# Altium PCB TEBF0808.PcbDoc (part 5 of 11) (continued)
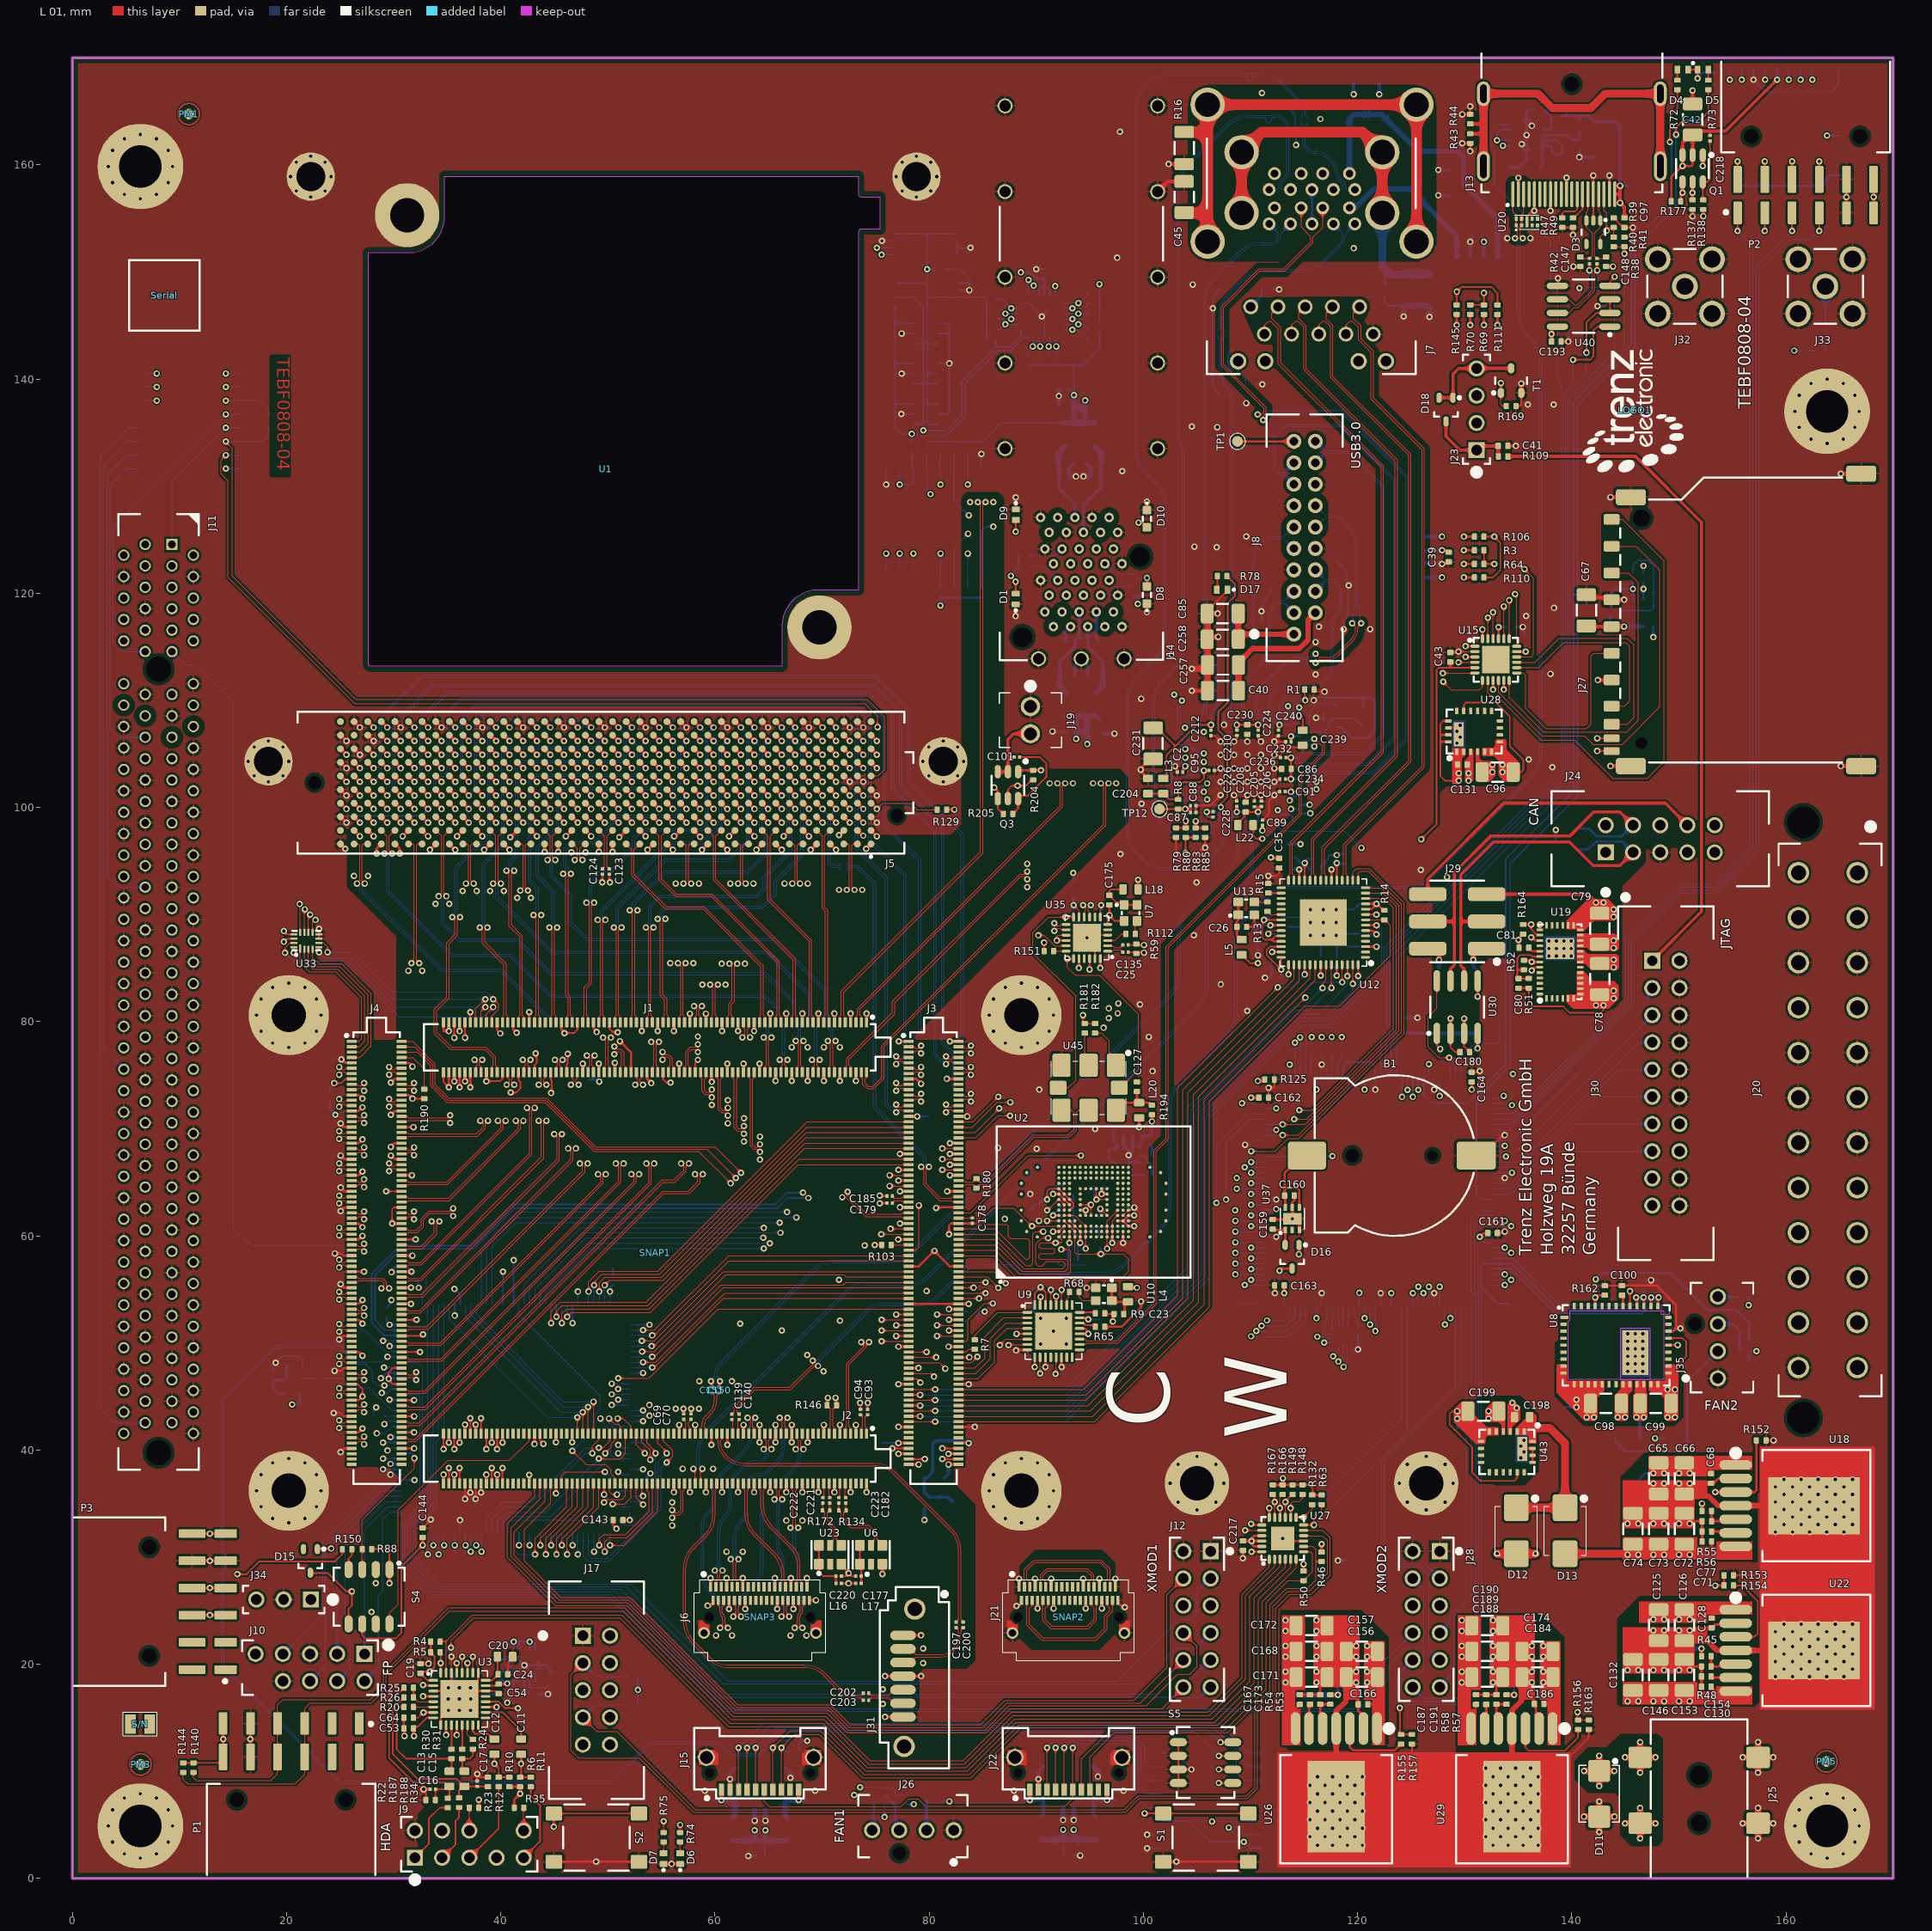
[diagram p0: L 01 view]
## Nets (pads, with @x,y where several pads share a name; then routed paths per layer and width w, separated by ;. In a path a pad name is that pad's centre, name@x,y a point inside that pad or via, vN(x,y) a via of type N, cw(c..) or ccw(c..) an arc to the next point about the centre after c; other vN are vias at no path point) (continued)
B128_TX1_N: J2.37 J6.A3 | length 17
  L 01 w0.1: v1@60.551,28.606 ccw(c60.807,28.35) 60.445,28.35 60.445,27.84 60.585,27.7 J6.A3@60.585,27.225 ; v1@60.551,28.606 v1(60.695,28.75) ; J2.37@65.155,41.538 65.155,41.023 65.015,40.883 65.015,40.32 v1(65.265,40.07)
  L 16 w0.1: v1(60.695,28.75) 60.675,28.77 cw(c61.23,29.325) 60.445,29.325 60.445,32.366 cw(c62.359,32.366) 61.006,33.719 ccw(c59.752,34.973) 61.525,34.973 61.525,36.365 cw(c63.419,36.365) 62.08,37.705 62.65,38.275 cw(c63.869,37.056) 63.869,38.78 63.9,38.78 ccw(c63.9,39.905) 64.696,39.11 64.831,39.244 ccw(c64.384,39.691) 65.015,39.691 65.015,39.725 cw(c65.245,39.725) 65.083,39.887 v1(65.265,40.07)
B128_TX1_P: J2.39 J6.A2 | length 17
  L 01 w0.1: v1(59.975,28.75) v1@60.119,28.606 ; J6.A2@60.085,27.225 60.085,27.7 60.225,27.84 60.225,28.35 ccw(c59.863,28.35) v1@60.119,28.606 ; v1(64.545,40.07) 64.795,40.32 64.795,40.883 64.655,41.023 J2.39@64.655,41.538
  L 16 w0.1: v1(59.975,28.75) 59.995,28.77 ccw(c59.44,29.325) 60.225,29.325 60.225,32.366 cw(c62.359,32.366) 60.85,33.875 ccw(c59.752,34.973) 61.305,34.973 61.305,36.365 cw(c63.419,36.365) 61.924,37.86 62.495,38.431 cw(c63.869,37.056) 63.869,39 63.9,39 ccw(c63.9,39.905) 64.54,39.265 64.675,39.4 ccw(c64.384,39.691) 64.795,39.691 64.795,39.725 ccw(c64.566,39.725) 64.728,39.887 v1(64.545,40.07)
B128_TX2_N: J2.31 J6.A6 | length 19.8
  L 01 w0.1: v1@62.033,29.638 ccw(c62.247,29.425) 61.945,29.425 61.945,27.84 62.085,27.7 J6.A6@62.085,27.225 ; v1@62.033,29.638 v1(62.195,29.8) ; J2.31@66.655,41.538 66.655,42.053 66.515,42.193 66.515,42.756 v1(66.765,43.006)
  L 16 w0.1: v1(62.195,29.8) 62.104,29.891 cw(c62.488,30.275) 61.945,30.275 61.945,31.876 cw(c63.774,31.876) 62.481,33.169 ccw(c61.189,34.461) 63.015,34.461 63.015,36.355 cw(c64.248,36.355) 63.376,37.226 63.432,37.282 cw(c64.2,36.514) 64.2,37.6 ccw(c64.2,38.774) 65.03,37.944 65.881,38.794 ccw(c64.348,40.327) 66.515,40.327 66.515,42.575 cw(c66.952,42.575) 66.643,42.883 v1(66.765,43.006)
B128_TX2_P: J2.33 J6.A5 | length 19.8
  L 01 w0.1: v1(61.475,29.8) 61.637,29.638 cw(c61.423,29.425) 61.725,29.425 61.725,27.84 61.585,27.7 J6.A5@61.585,27.225 ; v1(66.045,43.006) 66.295,42.756 66.295,42.193 66.155,42.053 J2.33@66.155,41.538
  L 16 w0.1: v1(61.475,29.8) 61.566,29.891 ccw(c61.182,30.275) 61.725,30.275 61.725,31.876 cw(c63.774,31.876) 62.325,33.325 ccw(c61.189,34.461) 62.795,34.461 62.795,36.355 cw(c64.248,36.355) 63.221,37.382 63.276,37.437 cw(c64.2,36.514) 64.2,37.82 ccw(c64.2,38.774) 64.874,38.099 65.725,38.95 ccw(c64.348,40.327) 66.295,40.327 66.295,42.575 ccw(c65.859,42.575) 66.168,42.883 v1(66.045,43.006)
B128_TX3_N: J2.25 J6.B6 | length 21.8
  L 01 w0.1: J6.B6@62.315,25.975 62.315,25.5 62.175,25.36 62.175,24.925 ccw(c62.718,24.925) 62.334,24.541 v1(62.425,24.45) ; J2.25@68.155,41.538 68.155,41.023 68.015,40.883 68.015,40.32 v1(68.265,40.07)
  L 16 w0.1: v1(62.425,24.45) 62.246,24.629 cw(c62.416,24.8) 62.175,24.8 62.175,25.386 cw(c63.114,25.386) 62.45,26.05 63.707,27.307 ccw(c61.755,29.259) 64.515,29.259 64.515,36.1 cw(c65.277,36.1) 64.738,36.638 64.9,36.8 cw(c65.335,36.365) 65.335,36.98 65.725,36.98 ccw(c65.725,38.286) 66.649,37.363 67.347,38.06 ccw(c65.732,39.675) 68.015,39.675 cw(c68.365,39.675) 68.118,39.923 v1(68.265,40.07)
B128_TX3_P: J2.27 J6.B5 | length 21.8
  L 01 w0.1: v1(61.705,24.45) 61.796,24.541 ccw(c61.412,24.925) 61.955,24.925 61.955,25.36 61.815,25.5 J6.B5@61.815,25.975 ; v1(67.545,40.07) 67.795,40.32 67.795,40.883 67.655,41.023 J2.27@67.655,41.538
  L 16 w0.1: v1(61.705,24.45) 61.884,24.629 ccw(c61.714,24.8) 61.955,24.8 61.955,25.386 cw(c63.114,25.386) 62.294,26.206 63.551,27.463 ccw(c61.755,29.259) 64.295,29.259 64.295,36.1 cw(c65.277,36.1) 64.583,36.794 64.744,36.956 cw(c65.335,36.365) 65.335,37.2 65.725,37.2 ccw(c65.725,38.286) 66.493,37.518 67.191,38.216 ccw(c65.732,39.675) 67.795,39.675 ccw(c67.445,39.675) 67.693,39.923 v1(67.545,40.07)
B228_CLK0_N: C121.1 J3.60 | length 37.4
  L 01 w0.1: v1(79.975,66.45) 79.725,66.2 79.725,64.85 81.062,63.513 82.085,63.513 82.225,63.653 J3.60@82.74,63.653
  L 16 w0.1: C121.1@72.302,94.826 72.517,94.611 73.339,94.611 75.01,92.94 75.01,72.026 79.725,67.311 79.725,66.7 v1(79.975,66.45)
B228_CLK0_P: C122.1 J3.62 | length 37.4
  L 01 w0.1: v1(79.255,66.45) 79.505,66.2 79.505,64.759 80.971,63.293 82.085,63.293 82.225,63.153 J3.62@82.74,63.153
  L 16 w0.1: C122.1@72.302,94.176 72.517,94.391 72.65,94.391 72.651,94.39 73.249,94.39 74.79,92.849 74.79,71.935 79.505,67.22 79.505,66.7 v1(79.255,66.45)
B228_RX0_N: J1.71 J5.C7 | length 27.7
  L 01 w0.1: v1(56.545,85.45) 56.795,85.2 56.795,80.593 56.655,80.453 J1.71@56.655,79.938
  L 01 w0.2: J5.C7@66.946,99.125 v1(67.495,98.576)
  L 14 S w0.08: v1(56.545,85.45) 56.805,85.71 56.805,86.105 60,89.3 60,92.7 61.3,94 66.6,94 68.022,95.422 68.022,98.049 v1(67.495,98.576) v1@67.487,98.584
B228_RX0_P: J1.69 J5.C6 | length 27.7
  L 01 w0.1: J1.69@57.155,79.938 57.155,80.453 57.015,80.593 57.015,85.2 v1(57.265,85.45)
  L 01 w0.2: J5.C6@68.216,99.125 v1(68.765,98.576)
  L 14 S w0.08: v1(57.265,85.45) 57.005,85.71 57.005,86.023 60.2,89.217 60.2,92.617 61.383,93.8 66.683,93.8 68.222,95.339 68.222,98.049 v1@68.757,98.584
B228_RX1_N: J1.65 J5.A3 | length 26.3
  L 01 w0.1: v1(58.045,81.45) 58.295,81.2 58.295,80.593 58.155,80.453 J1.65@58.155,79.938 ; J5.A3@72.026,96.585 72.416,96.585 72.551,96.45 72.551,92.55 v1(72.301,92.3)
  L 14 S w0.08: v1(58.045,81.45) 58.305,81.71 58.305,81.988 58.717,82.4 63.5,82.4 72.561,91.461 72.561,92.04 v1(72.301,92.3)
B228_RX1_P: J1.63 J5.A2 | length 26.7
  L 01 w0.1: J1.63@58.655,79.938 58.655,80.453 58.515,80.593 58.515,81.2 v1(58.765,81.45) ; 72.935,96.585 J5.A2@73.296,96.585 72.885,96.585 72.771,96.471 72.771,92.55 v1(73.021,92.3)
  L 14 S w0.08: v1(58.765,81.45) 58.505,81.71 58.505,81.905 58.8,82.2 63.583,82.2 72.761,91.378 72.761,92.04 v1(73.021,92.3)
B228_RX2_N: J1.59 J5.A7 | length 22.5
  L 01 w0.1: v1(59.545,83.45) 59.795,83.2 59.795,80.593 59.655,80.453 J1.59@59.655,79.938 ; J5.A7@66.946,96.585 67.336,96.585 67.471,96.45 67.471,93.15 v1(67.221,92.9)
  L 14 S w0.08: v1(59.545,83.45) 59.805,83.71 59.805,84.088 60.217,84.5 63.167,84.5 67.481,88.814 67.481,92.64 v1(67.221,92.9)
B228_RX2_P: J1.57 J5.A6 | length 22.5
  L 01 w0.1: J1.57@60.155,79.938 60.155,80.453 60.015,80.593 60.015,83.2 v1(60.265,83.45) ; v1(67.941,92.9) 67.691,93.15 67.691,96.45 67.826,96.585 J5.A6@68.216,96.585
  L 14 S w0.08: v1(60.265,83.45) 60.005,83.71 60.005,84.005 60.3,84.3 63.25,84.3 67.681,88.731 67.681,92.64 v1(67.941,92.9)
B228_RX3_N: J1.53 J5.A11 | length 18
  L 01 w0.1: J1.53@61.155,79.938 61.155,80.453 61.295,80.593 61.295,81.695 61.595,81.995 61.595,85.153 v1(61.345,85.403) ; J5.A11@61.866,96.585 62.256,96.585 62.391,96.45 62.391,93.15 v1(62.141,92.9)
  L 14 S w0.08: v1(61.345,85.403) 61.605,85.663 61.605,87.155 62.4,87.95 62.4,92.64 ; v1(62.141,92.9) 62.401,92.64
B228_RX3_P: J1.51 J5.A10 | length 18
  L 01 w0.1: J1.51@61.655,79.938 61.655,80.453 61.515,80.593 61.515,81.604 61.815,81.904 61.815,85.153 v1(62.065,85.403) ; v1(62.861,92.9) 62.611,93.15 62.611,96.45 62.746,96.585 J5.A10@63.136,96.585
  L 14 S w0.08: v1(62.065,85.403) 61.805,85.663 61.805,87.073 62.6,87.867 62.6,92.64 ; 62.601,92.64 v1(62.861,92.9)
B228_TX0_N: J1.70 J5.C3 | length 36.8
  L 01 w0.1: J1.70@57.155,75.268 57.155,75.783 57.295,75.923 57.295,77.206 57.709,77.62 58.15,77.62 v1(58.4,77.87)
  L 01 w0.2: J5.C3@72.026,99.125 v1(72.575,98.576)
  L 14 S w0.08: v1(58.4,77.87) 58.66,77.61 65.71,77.61 68.75,80.65 68.75,83.293 74.3,88.843 74.3,93.9 73.11,95.09 73.11,98.041 v1(72.575,98.576)
B228_TX0_P: J1.68 J5.C2 | length 36.8
  L 01 w0.1: J1.68@57.655,75.268 57.655,75.783 57.515,75.923 57.515,77.115 57.8,77.4 58.15,77.4 v1(58.4,77.15)
  L 01 w0.2: J5.C2@73.296,99.125 v1(73.845,98.576)
  L 14 S w0.08: v1(58.4,77.15) 58.66,77.41 65.793,77.41 68.95,80.567 68.95,83.21 74.5,88.76 74.5,93.983 73.31,95.172 73.31,98.041 v1(73.845,98.576)
B228_TX1_N: J1.64 J5.A23 | length 36.7
  L 01 w0.1: J5.A23@46.626,96.585 46.676,96.535 46.816,96.535 47.151,96.2 47.151,95.35 v1(46.901,95.1) ; J1.64@58.655,75.268 58.655,74.753 58.795,74.613 58.795,73.494 59.109,73.18 59.45,73.18 v1(59.7,72.93)
  L 14 S w0.08: v1(46.901,95.1) 47.161,94.84 47.161,90.264 47.9,89.525 47.9,78.75 49.825,76.825 49.825,75.495 52.13,73.19 52.31,73.19 ; 52.227,73.19 59.44,73.19 v1(59.7,72.93)
B228_TX1_P: J1.62 J5.A22 | length 36.7
  L 01 w0.1: v1(47.621,95.1) 47.371,95.35 47.371,96.2 47.706,96.535 47.846,96.535 J5.A22@47.896,96.585 ; J1.62@59.155,75.268 59.155,74.753 59.015,74.613 59.015,73.585 59.2,73.4 59.45,73.4 v1(59.7,73.65)
  L 14 S w0.08: v1(47.621,95.1) 47.361,94.84 47.361,90.347 48.1,89.608 48.1,81.3 48.1,81.176 48.393,80.883 48.393,80.585 48.1,80.292 48.1,79.85 48.1,78.833 50.025,76.908 50.025,75.578 52.213,73.39 52.31,73.39 57.55,73.39 57.644,73.39 57.74,73.486 57.74,73.66 57.836,73.756 58.028,73.756 58.124,73.66 58.124,73.486 58.22,73.39 58.508,73.39 58.7,73.39 59.44,73.39 v1(59.7,73.65)
B228_TX2_N: J1.58 J5.A27 | length 44.5
  L 01 w0.1: J5.A27@41.546,96.585 41.936,96.585 42.071,96.45 42.071,92.5 v1(41.821,92.25) ; J1.58@60.155,75.268 60.155,74.753 60.295,74.613 60.295,71.794 60.609,71.48 60.95,71.48 v1(61.2,71.23)
  L 14 S w0.08: v1(41.821,92.25) 42.081,91.99 42.081,89.019 46.805,84.295 46.805,75.612 50.927,71.49 60.94,71.49 v1(61.2,71.23)
B228_TX2_P: J1.56 J5.A26 | length 44.5
  L 01 w0.1: v1(42.541,92.25) 42.291,92.5 42.291,96.45 42.426,96.585 J5.A26@42.816,96.585 ; J1.56@60.655,75.268 60.655,74.753 60.515,74.613 60.515,71.885 60.7,71.7 60.95,71.7 v1(61.2,71.95)
  L 14 S w0.08: v1(42.541,92.25) 42.281,91.99 42.281,89.102 47.005,84.377 47.005,78.05 47.005,77.994 47.073,77.926 47.248,77.751 47.248,77.517 47.073,77.342 47.005,77.274 47.005,77.05 47.005,75.695 51.01,71.69 57.65,71.69 57.865,71.69 58.169,71.69 58.299,71.82 58.299,71.953 58.429,72.083 58.603,72.083 58.733,71.953 58.733,71.82 58.863,71.69 58.95,71.69 60.94,71.69 v1(61.2,71.95)
B228_TX3_N: J1.52 J5.A31 | length 52.2
  L 01 w0.1: J5.A31@36.466,96.585 36.856,96.585 36.991,96.45 36.991,93.15 v1(36.741,92.9) ; J1.52@61.655,75.268 61.655,74.753 61.795,74.613 61.795,70.094 62.109,69.78 62.45,69.78 v1(62.7,69.53)
  L 14 S w0.08: v1(36.741,92.9) 37.001,92.64 37.001,85.274 44.1,78.175 44.1,75.35 49.66,69.79 62.44,69.79 v1(62.7,69.53)
B228_TX3_P: J1.50 J5.A30 | length 52
  L 01 w0.1: v1(37.461,92.9) 37.211,93.15 37.211,96.45 37.346,96.585 J5.A30@37.736,96.585 ; J1.50@62.155,75.268 62.155,74.753 62.015,74.613 62.015,70.185 62.2,70 62.45,70 v1(62.7,70.25)
  L 14 S w0.08: v1(37.461,92.9) 37.201,92.64 37.201,85.357 44.3,78.258 44.3,75.433 44.433,75.3 44.509,75.223 44.994,75.223 45.17,75.048 45.17,74.563 45.5,74.233 49.743,69.99 58.9,69.99 59.049,69.99 59.342,70.283 59.59,70.283 59.883,69.99 60.3,69.99 62.44,69.99 v1(62.7,70.25)
B229_CLK0_N: C123.1 J3.65 | length 49.7
  L 01 w0.1: C123.1@50.13,93.76 50.13,93.055 v1(50.185,93) v1@50.185,93.21 ; v1(72.389,64.114) 72.389,63.761 74.137,62.013 77.415,62.013 77.555,62.153 J3.65@78.07,62.153
  L 14 S w0.08: v1(50.185,93) 49.925,92.74 49.925,91.475 52.495,88.905 52.495,77.837 54.833,75.5 60.636,75.5 72.022,64.114 v1(72.389,64.114)
B229_CLK0_P: C124.1 J3.67 | length 50.1
  L 01 w0.1: v1@49.465,93.21 v1(49.465,93) 49.486,93.021 C124.1@49.486,93.761 ; v1(71.88,63.605) 72.234,63.605 74.046,61.793 77.415,61.793 77.555,61.653 J3.67@78.07,61.653
  L 14 S w0.08: v1(49.465,93) 49.725,92.74 49.725,91.392 52.295,88.822 52.295,77.755 54.75,75.3 60.553,75.3 71.484,64.369 71.88,63.973 v1(71.88,63.605)
B229_RX0_N: J1.47 J5.A15 | length 27.3
  L 01 w0.1: J5.A15@56.786,96.585 57.176,96.585 57.311,96.45 57.311,93.15 v1(57.061,92.9) ; v1(62.545,78.536) 62.795,78.786 62.795,79.283 62.655,79.423 J1.47@62.655,79.938
  L 14 S w0.08: v1(57.061,92.9) 57.321,92.64 57.321,88.321 55,86 55,82.1 57.5,79.6 62.558,79.6 62.805,79.353 62.805,79.036 v1@62.545,78.776
B229_RX0_P: J1.45 J5.A14 | length 27.3
  L 01 w0.1: v1(57.781,92.9) 57.531,93.15 57.531,96.45 57.666,96.585 J5.A14@58.056,96.585 ; J1.45@63.155,79.938 63.155,79.423 63.015,79.283 63.015,78.786 v1(63.265,78.536)
  L 14 S w0.08: v1(57.781,92.9) 57.521,92.64 57.521,88.238 55.2,85.917 55.2,82.183 57.583,79.8 62.641,79.8 63.005,79.436 63.005,79.036 v1@63.265,78.776
B229_RX1_N: J1.41 J5.A19 | length 24
  L 01 w0.1: J5.A19@51.706,96.585 52.231,96.06 52.231,93.658 55.389,90.5 58.889,90.5 64.295,85.094 64.295,80.593 64.155,80.453 J1.41@64.155,79.938
B229_RX1_P: J1.39 J5.A18 | length 24
  L 01 w0.1: J5.A18@52.976,96.585 52.451,96.06 52.451,93.749 55.48,90.72 58.98,90.72 64.515,85.185 64.515,80.593 64.655,80.453 J1.39@64.655,79.938
B229_RX2_N: J1.35 J5.B17 | length 24.7
  L 01 w0.1: J5.B17@54.246,97.855 54.771,97.33 54.771,93.229 56.3,91.7 59.628,91.7 65.795,85.532 65.795,80.593 65.655,80.453 J1.35@65.655,79.938
B229_RX2_P: J1.33 J5.B16 | length 24.7
  L 01 w0.1: J5.B16@55.516,97.855 54.991,97.33 54.991,93.32 56.391,91.92 59.719,91.92 66.015,85.624 66.015,80.593 66.155,80.453 J1.33@66.155,79.938
B229_RX3_N: J1.29 J5.B13 | length 21.3
  L 01 w0.1: J5.B13@59.326,97.855 59.851,97.33 59.851,93.227 67.295,85.782 67.295,80.593 67.155,80.453 J1.29@67.155,79.938
B229_RX3_P: J1.27 J5.B12 | length 21.3
  L 01 w0.1: J5.B12@60.596,97.855 60.071,97.33 60.071,93.318 67.515,85.874 67.515,80.593 67.655,80.453 J1.27@67.655,79.938
B229_TX0_N: J1.46 J5.A35 | length 60
  L 01 w0.1: J5.A35@31.386,96.585 31.776,96.585 31.911,96.45 31.911,85.7 v1(31.661,85.45) ; J1.46@63.155,75.268 63.155,74.753 63.295,74.613 63.295,68.394 63.609,68.08 63.95,68.08 v1(64.2,67.83)
  L 14 S w0.08: v1(31.661,85.45) 31.921,85.19 31.921,84.446 48.277,68.09 63.94,68.09 v1(64.2,67.83)
B229_TX0_P: J1.44 J5.A34 | length 60.1
  L 01 w0.1: v1(32.381,85.45) 32.131,85.7 32.131,96.45 32.266,96.585 J5.A34@32.656,96.585 ; J1.44@63.655,75.268 63.655,74.753 63.515,74.613 63.515,68.485 63.7,68.3 63.95,68.3 v1(64.2,68.55)
  L 14 S w0.08: v1(32.381,85.45) 32.121,85.19 32.121,84.529 33.4,83.25 33.465,83.185 33.809,83.185 34.055,82.938 34.055,82.595 34.35,82.3 48.36,68.29 60.9,68.29 61.019,68.29 61.149,68.42 61.149,68.603 61.279,68.733 61.453,68.733 61.583,68.603 61.583,68.42 61.713,68.29 61.8,68.29 63.94,68.29 v1(64.2,68.55)
B229_TX1_N: J1.40 J5.A39 | length 52.7
  L 01 w0.1: J5.A39@26.306,96.585 26.696,96.585 26.831,96.45 26.831,93.15 v1(26.581,92.9) ; v1(64.545,78.525) 64.795,78.275 64.795,75.923 64.655,75.783 J1.40@64.655,75.268
  L 16 w0.1: v1(26.581,92.9) 26.831,92.65 26.831,92.258 34.409,84.68 39.978,84.68 44.728,79.93 64.333,79.93 64.795,79.468 64.795,78.775 v1(64.545,78.525)
B229_TX1_P: J1.38 J5.A38 | length 52.7
  L 01 w0.1: v1(27.301,92.9) 27.051,93.15 27.051,96.45 27.186,96.585 J5.A38@27.576,96.585 ; J1.38@65.155,75.268 65.155,75.783 65.015,75.923 65.015,78.275 v1(65.265,78.525)
  L 16 w0.1: v1(27.301,92.9) 27.051,92.65 27.051,92.349 34.5,84.9 40.069,84.9 44.819,80.15 64.424,80.15 65.015,79.559 65.015,78.775 v1(65.265,78.525)
B229_TX2_N: J1.34 J5.B37 | length 53.5
  L 01 w0.1: J5.B37@28.846,97.855 29.371,97.33 29.371,95.95 v1(29.121,95.7) ; v1(66.045,76.43) 66.295,76.18 66.295,75.923 66.155,75.783 J1.34@66.155,75.268
  L 16 w0.1: v1(29.121,95.7) 29.371,95.45 29.371,92.118 35.389,86.1 40.8,86.1 44.62,82.28 64.609,82.28 65.78,81.109 65.78,80.07 66.295,79.555 66.295,76.68 v1(66.045,76.43)
B229_TX2_P: J1.32 J5.B36 | length 53.5
  L 01 w0.1: v1(29.841,95.7) 29.591,95.95 29.591,97.33 J5.B36@30.116,97.855 ; J1.32@66.655,75.268 66.655,75.783 66.515,75.923 66.515,76.18 v1(66.765,76.43)
  L 16 w0.1: v1(29.841,95.7) 29.591,95.45 29.591,92.209 35.48,86.32 40.891,86.32 44.711,82.5 64.7,82.5 66,81.2 66,80.161 66.515,79.646 66.515,76.68 v1(66.765,76.43)
B229_TX3_N: J1.28 J5.B33 | length 52
  L 01 w0.1: J5.B33@33.926,97.855 34.451,97.33 34.451,91.95 v1(34.201,91.7) ; v1(67.545,78.2) 67.795,77.95 67.795,75.923 67.655,75.783 J1.28@67.655,75.268
  L 16 w0.1: v1(34.201,91.7) 34.451,91.45 34.451,89.138 36.089,87.5 41.5,87.5 44.62,84.38 64.609,84.38 67.275,81.714 67.275,80.219 67.795,79.699 67.795,78.45 v1(67.545,78.2)
B229_TX3_P: J1.26 J5.B32 | length 52
  L 01 w0.1: v1(34.921,91.7) 34.671,91.95 34.671,97.33 J5.B32@35.196,97.855 ; J1.26@68.155,75.268 68.155,75.783 68.015,75.923 68.015,77.95 v1(68.265,78.2)
  L 16 w0.1: v1(34.921,91.7) 34.671,91.45 34.671,89.229 36.18,87.72 41.591,87.72 44.711,84.6 64.7,84.6 67.495,81.805 67.495,80.31 68.015,79.79 68.015,78.45 v1(68.265,78.2)
B230_CLK1_N: C185.2 J3.59 | length 1.7
  L 01 w0.1: C185.2@76.552,63.716 76.767,63.501 77.403,63.501 77.555,63.653 J3.59@78.07,63.653
B230_CLK1_P: C179.2 J3.61 | length 1.7
  L 01 w0.1: C179.2@76.552,63.066 76.767,63.281 77.427,63.281 77.555,63.153 J3.61@78.07,63.153
B230_RX0_N: J1.23 J5.B9 | length 19.8
  L 01 w0.1: J5.B9@64.406,97.855 64.931,97.33 64.931,91.358 68.795,87.494 68.795,80.593 68.655,80.453 J1.23@68.655,79.938
B230_RX0_P: J1.21 J5.B8 | length 19.8
  L 01 w0.1: J5.B8@65.676,97.855 65.151,97.33 65.151,91.449 69.015,87.585 69.015,80.593 69.155,80.453 J1.21@69.155,79.938
B230_RX1_N: J1.17 J5.B5 | length 18.3
  L 01 w0.1: J5.B5@69.486,97.855 70.011,97.33 70.011,90.578 70.295,90.294 70.295,80.593 70.155,80.453 J1.17@70.155,79.938
B230_RX1_P: J1.15 J5.B4 | length 18.3
  L 01 w0.1: J1.15@70.655,79.938 70.655,80.453 70.515,80.593 70.515,90.385 70.231,90.669 70.231,97.33 J5.B4@70.756,97.855
B230_RX2_N: J1.11 J14.L12 | length 69.9
  L 01 w0.1: J1.11@71.655,79.938 71.655,80.453 71.795,80.593 71.795,82.84 84.79,95.835 84.79,128.25 v1(84.54,128.5)
  L 14 S w0.08: v1(84.54,128.5) 84.8,128.76 84.8,129.175 85.825,130.2 93.825,130.2 96.15,127.875 96.15,126.65 96.275,126.525 96.475,126.525 96.8,126.85 J14.L12@96.8,127.07
B230_RX2_P: J1.9 J14.L13 | length 69.2
  L 01 w0.1: J1.9@72.155,79.938 72.155,80.453 72.015,80.593 72.015,82.749 85.01,95.744 85.01,128.25 v1(85.26,128.5)
  L 14 S w0.08: v1(85.26,128.5) 85,128.76 85,129.092 85.908,130 93.742,130 95.95,127.792 95.95,125.73 J14.L13@96,125.68
B230_RX3_N: J1.5 J14.T12 | length 46.5
  L 01 w0.1: J1.5@73.155,79.938 73.155,80.453 73.295,80.593 73.295,81.206 92.225,100.136 92.225,102 v1(91.975,102.25)
  L 14 S w0.08: J14.T12@91.6,116.87 J14.T12@91.6,116.88 91.6,117.09 91.925,117.415 92.125,117.415 92.25,117.29 92.25,102.525 v1(91.975,102.25)
B230_RX3_P: J1.3 J14.T13 | length 46.4
  L 01 w0.1: J1.3@73.655,79.938 73.655,80.453 73.515,80.593 73.515,81.115 92.445,100.045 92.445,102 v1(92.695,102.25)
  L 14 S w0.08: J14.T13@92.4,118.26 92.45,118.21 92.45,102.495 v1(92.695,102.25)
B230_TX0_N: J1.22 J5.B29 | length 47.4
  L 01 w0.1: J5.B29@39.006,97.855 39.531,97.33 39.531,93.15 v1(39.281,92.9) ; v1(69.045,76.43) 69.295,76.18 69.295,75.923 69.155,75.783 J1.22@69.155,75.268
  L 16 w0.1: v1(39.281,92.9) 39.531,92.65 39.531,91.569 44.72,86.38 64.809,86.38 68.75,82.439 68.75,79.85 69.295,79.305 69.295,76.68 v1(69.045,76.43)
B230_TX0_P: J1.20 J5.B28 | length 47.4
  L 01 w0.1: v1(40.001,92.9) 39.751,93.15 39.751,97.33 J5.B28@40.276,97.855 ; J1.20@69.655,75.268 69.655,75.783 69.515,75.923 69.515,76.18 v1(69.765,76.43)
  L 16 w0.1: v1(40.001,92.9) 39.751,92.65 39.751,91.66 44.811,86.6 64.9,86.6 68.97,82.53 68.97,79.941 69.515,79.396 69.515,76.68 v1(69.765,76.43)
B230_TX1_N: J1.16 J5.B25 | length 44.8
  L 01 w0.1: J5.B25@44.086,97.855 44.611,97.33 44.611,95.35 v1(44.361,95.1) ; v1(70.545,78.2) 70.795,77.95 70.795,75.923 70.655,75.783 J1.16@70.655,75.268
  L 16 w0.1: v1(44.361,95.1) 44.611,94.85 ; 44.611,94.389 44.611,94.85 ; v1(70.545,78.2) 70.795,78.45 70.795,79.114 70.22,79.689 70.22,82.858 65.498,87.58 48.009,87.58 46.4,89.189 46.4,91.8 44.611,93.589 44.611,94.85
B230_TX1_P: J1.14 J5.B24 | length 44.7
  L 01 w0.1: v1(45.081,95.1) 44.831,95.35 44.831,97.33 J5.B24@45.356,97.855 ; J1.14@71.155,75.268 71.155,75.783 71.015,75.923 71.015,77.95 v1(71.265,78.2)
  L 16 w0.1: 44.831,94.48 44.831,94.85 ; v1(45.081,95.1) 44.831,94.85 ; v1(71.265,78.2) 71.015,78.45 71.015,79.205 70.44,79.78 70.44,82.949 65.589,87.8 48.1,87.8 46.62,89.28 46.62,91.891 44.831,93.68 44.831,94.85
B230_TX2_N: J1.10 J14.L19 | length 67.1
  L 01 w0.1: J1.10@72.155,75.268 72.155,75.783 72.295,75.923 72.295,76.556 76.567,80.828 76.567,81.878 88.459,93.77 88.9,93.77 v1(89.15,94.02)
  L 14 S w0.08: v1(89.15,94.02) 88.89,93.76 88.573,93.76 86.9,95.433 86.9,126 89.125,128.225 90.692,128.225 91.15,127.767 91.15,125.73 J14.L19@91.2,125.68
B230_TX2_P: J1.8 J14.L18 | length 67.8
  L 01 w0.1: J1.8@72.655,75.268 72.655,75.783 72.515,75.923 72.515,76.465 76.787,80.737 76.787,81.787 88.55,93.55 88.9,93.55 v1(89.15,93.3)
  L 14 S w0.08: v1(89.15,93.3) 88.89,93.56 88.49,93.56 86.7,95.35 86.7,126.083 89.042,128.425 90.775,128.425 91.35,127.85 91.35,126.65 91.475,126.525 91.675,126.525 92,126.85 J14.L18@92,127.07
B230_TX3_N: J1.4 J14.T19 | length 56.4
  L 01 w0.1: J1.4@73.655,75.268 73.655,74.753 73.795,74.613 73.795,74.144 74.209,73.73 74.838,73.73 75.77,74.662 75.77,77.62 96.495,98.345 96.495,102 v1(96.745,102.25)
  L 14 S w0.08: v1(96.745,102.25) 96.485,102.51 96.485,114.702 97.25,115.467 97.25,118.21 J14.T19@97.2,118.26
B230_TX3_P: J1.2 J14.T18 | length 55.8
  L 01 w0.1: J1.2@74.155,75.268 74.155,74.753 74.015,74.613 74.015,74.235 74.3,73.95 74.747,73.95 75.55,74.753 75.55,77.711 96.275,98.436 96.275,102 v1(96.025,102.25)
  L 14 S w0.08: v1(96.025,102.25) 96.285,102.51 96.285,114.785 97.05,115.55 97.05,117.29 96.925,117.415 96.725,117.415 96.4,117.09 J14.T18@96.4,116.88 J14.T18@96.4,116.87
B505_CLK0_N: C223.2 J2.12 | length 1.4
  L 01 w0.1: C223.2@71.564,35.552 71.655,35.644 J2.12@71.655,36.868
B505_CLK0_P: C182.2 J2.10 | length 1.3
  L 01 w0.1: J2.10@72.155,36.868 72.155,35.611 C182.2@72.214,35.552
B505_CLK1_N: C222.2 J2.18 | length 1.4
  L 01 w0.1: C222.2@70.059,35.552 70.155,35.649 J2.18@70.155,36.868
B505_CLK1_P: C221.2 J2.16 | length 1.3
  L 01 w0.1: J2.16@70.655,36.868 70.655,35.606 C221.2@70.709,35.552
BCLK: J3.51 U3.28 | length 71.1
  L 01 w0.1: U3.28@36.39,19.19 v1(36.39,20.7) ; v1(76.3,65.653) J3.51@78.07,65.653
  L 03 S w0.1: v1(36.39,20.7) 36.39,27.04 39.432,30.082 39.432,34.882 41.5,36.95 41.5,41.604 65.549,65.653 v1(76.3,65.653)
BEEPER: R169.2 R189.2 T1.1 | length 226.6
  L 01 w0.1: v1(133.375,139.625) 133.375,138.75 133.4,138.725 T1.1@133.375,138.7 133.375,137.6 133.5,137.475 R169.2@133.88,137.475
  L 12 S w0.1: v1(28.375,43.975) 28.375,42.375 28.775,41.975 30.225,41.975 31.228,40.972 31.228,31.197 35.725,26.7 76.17,26.7 80.17,30.7 91,30.7 107.8,47.5 115.2,47.5 117.85,50.15 130.65,50.15 135.3,54.8 135.3,83.4 127.25,91.45 127.25,127.2 133.375,133.325 v1(133.375,139.625)
  L 16 w0.1: R189.2@28.13,43.175 28.13,43.73 v1(28.375,43.975)
C_T1: U17.24 U32.3 | length 2.1
  L 16 w0.1: U32.3@119.05,51.4 119.05,52.05 119.15,52.15 U17.24@119.15,53.48
C_T2: U17.26 U32.1 | length 2.2
  L 16 w0.1: U17.26@118.15,53.48 118.15,52.25 118.25,52.15 U32.1@118.25,51.35
C_T3: U17.25 U32.2 | length 2.1
  L 16 w0.1: U32.2@118.65,51.4 U17.25@118.65,53.48
C_TCK: J28.4 U17.131 U39.131 | length 188.6
  L 16 w0.1: U39.131@30.78,45.2 32.125,45.2 32.476,44.849 32.476,34.776 30.85,33.15 30.85,28.85 33.45,26.25 50.2,26.25 60.825,15.625 119.925,15.625 122.95,18.65 122.95,19.9 124.65,21.6 126.2,21.6 ; J28.4@125.13,28.01 126.2,26.94 126.2,21.6 ; U17.131@132.57,61.9 131.45,61.9 130.9,61.35 130.9,54.875 131.3,54.475 131.3,18.25 129.6,16.55 124.85,16.55 124.05,17.35 124.05,18.4 124.7,19.05 125.7,19.05 126.2,19.55 126.2,21.6
C_TDI: J28.10 U17.136 | length 55.5
  L 16 w0.1: J28.10@125.13,20.39 123.7,18.96 123.7,17.05 124.5,16.25 129.75,16.25 131.575,18.075 131.575,54.675 131.25,55 131.25,59.1 131.55,59.4 U17.136@132.57,59.4
C_TDO: J28.8 U39.137 | length 124.9
  L 16 w0.1: U39.137@30.78,48.2 32.25,48.2 32.7,47.75 32.7,34.717 31.05,33.067 31.05,29.15 33.7,26.5 50.4,26.5 61.055,15.845 119.645,15.845 122.55,18.75 122.55,20.35 J28.8@125.13,22.93
C_TDO1: U17.137 U39.136 | length 118.8
  L 03 S w0.15: v1(29.1,47.7) 29.138,47.738 46.038,47.738 65.2,66.9 77.575,66.9 79.725,64.75 102.45,64.75 104.8,62.4 v1(108.55,62.4)
  L 05 S w0.15: v1(108.55,62.4) 111.35,62.4 113.7,60.05 128.15,60.05 129.3,58.9 v1(133.74,58.9)
  L 16 w0.1: U17.137@132.57,58.9 v1(133.74,58.9)
  L 16 w0.15: v1(29.1,47.7) U39.136@30.78,47.7
C_TMS: J28.12 U17.130 U39.130 | length 187
  L 03 S w0.1: v1(29.61,44.7) 30.825,43.485 30.825,31.525 31.55,30.8 31.55,20.2 33.9,17.85 33.9,15.15 34.275,14.775 38.78,14.775 49.98,3.575 71.75,3.575 83.7,15.525 120.15,15.525 122.475,17.85 J28.12@125.13,17.85
  L 16 w0.1: v1(29.61,44.7) U39.130@30.78,44.7 ; J28.12@125.13,17.85 126.13,16.85 129.45,16.85 131.05,18.45 131.05,54.35 130.6,54.8 130.6,61.55 131.45,62.4 U17.130@132.57,62.4
CAN_FAULT: U17.106 U30.5 | length 12.6
  L 01 w0.15: v1(131.205,82.345) U30.5@131.205,83.8
  L 16 w0.1: U17.106@129.65,74.82 129.65,76.7 130.95,78 133.05,78 133.3,78.25 133.3,80.25 v1(131.205,82.345)
CAN_H: D14.1 J24.4 J29.4 U30.7 | length 37.9
  L 01 w0.3: J29.4@126.55,89.35 129.025,89.35 ; U30.7@128.665,83.8 128.665,84.915 129.025,85.275 129.025,89.35 ; J24.4@145.71,98.34 144.475,99.575 142.05,99.575 139.8,97.325 132.425,97.325 129.025,93.925 129.025,89.35
  L 16 w0.2: D14.1@140.8,98 141.6,98 142.3,97.3 144.67,97.3 J24.4@145.71,98.34
CAN_L: D14.2 J24.3 J29.3 U30.6 | length 36.9
  L 01 w0.3: U30.6@129.935,83.8 129.935,84.915 129.625,85.225 129.625,89.35 ; J29.3@132.05,89.35 129.625,89.35 ; J24.3@145.71,95.8 144.475,94.565 141.985,94.565 139.775,96.775 132.675,96.775 129.625,93.725 129.625,89.35
  L 16 w0.2: D14.2@140.8,96.1 141.55,96.1 142.275,96.825 144.685,96.825 J24.3@145.71,95.8
CAN_RX: U17.107 U30.4 | length 4.5
  L 01 w0.1: v1(131.2,77.5) 131.2,78.895 U30.4@131.205,78.9
  L 16 w0.1: U17.107@130.15,74.82 130.15,76.45 v1(131.2,77.5)
CAN_S: U17.105 U30.8 | length 11.1
  L 01 w0.1: U30.8@127.395,83.8 127.395,81.245 126.575,80.425 126.575,77.65 127.6,76.625 v1(128.55,76.625)
  L 01 w0.15: U30.8@127.295,83.7 U30.8@127.395,83.8
  L 16 w0.1: v1(128.55,76.625) 129.15,76.025 U17.105@129.15,74.82
CAN_TX: U17.104 U30.1 | length 4.6
  L 01 w0.1: U30.1@127.395,78.9 127.395,77.755 v1(127.7,77.45)
  L 16 w0.1: v1(127.7,77.45) 127.7,76.6 128.65,75.65 U17.104@128.65,74.82
CLK0_N: C93.2 J2.1 | length 1.9
  L 01 w0.1: J2.1@74.155,41.538 74.155,42.053 74.015,42.193 74.015,43.082 C93.2@74.231,43.298
CLK0_P: C94.2 J2.3 | length 1.9
  L 01 w0.1: C94.2@73.581,43.298 73.795,43.083 73.795,42.193 73.655,42.053 J2.3@73.655,41.538
CLK7_N: C185.1 J2.15 R146.2 | length 25.5
  L 01 w0.1: v1(70.54,44.875) 70.455,44.79 R146.2@70.455,44.175 70.79,43.84 70.79,42.188 70.655,42.053 J2.15@70.655,41.538 ; v1(75.375,63.751) 75.41,63.716 C185.1@76.048,63.716
  L 12 S w0.08: v1(70.54,44.875) 70.8,45.135 70.8,59.75 74.541,63.491 75.115,63.491 v1(75.375,63.751)
CLK7_P: C179.1 J2.13 R146.1 | length 25.1
  L 01 w0.1: J2.13@71.155,41.538 71.155,42.053 71.01,42.198 71.01,43.84 R146.1@71.345,44.175 71.345,44.79 v1(71.26,44.875) ; v1(75.375,63.031) 75.41,63.066 C179.1@76.048,63.066
  L 12 S w0.08: v1(71.26,44.875) 71,45.135 71,59.667 74.624,63.291 75.115,63.291 v1(75.375,63.031)
CLK8_N: C135.1 J2.9 R59.2 | length 59.3
  L 01 w0.1: J2.9@72.155,41.538 72.155,42.053 72.295,42.193 72.295,48.081 73.9,49.686 73.9,49.95 73.775,50.075 v1(73.65,50.075) ; C135.1@98.577,87.15 100.04,87.15 v1(100.05,87.16)
  L 14 S w0.08: v1(73.65,50.075) 73.91,50.335 73.91,54.168 93.225,73.483 93.225,80.908 99.217,86.9 99.79,86.9 v1(100.05,87.16)
CLK8_P: C25.1 J2.7 R59.1 | length 58.9
  L 01 w0.1: J2.7@72.655,41.538 72.655,42.053 72.515,42.193 72.515,47.99 74.12,49.595 74.12,49.95 74.245,50.075 v1(74.37,50.075) ; C25.1@98.577,86.475 100.015,86.475 v1(100.05,86.44)
  L 14 S w0.08: v1(74.37,50.075) 74.11,50.335 74.11,54.085 93.425,73.4 93.425,80.825 99.3,86.7 99.79,86.7 v1(100.05,86.44)
CLK8C_N: C135.2 U35.2 | length 1.6
  L 01 w0.1: U35.2@96.665,87.075 97.13,87.075 97.283,86.923 97.845,86.923 C135.2@98.073,87.15
CLK8C_P: C25.2 U35.1 | length 1.6
  L 01 w0.1: U35.1@96.665,86.575 97.13,86.575 97.258,86.703 97.845,86.703 C25.2@98.073,86.475
CLK_125MHZ: U12.9 U17.70 | length 24.7
  L 01 w0.1: U12.9@120.74,90 v1(121.75,90)
  L 03 S w0.1: v1(112.4,71.9) 113.255,72.755 114.18,72.755 120.8,79.375 120.8,89.05 v1(121.75,90)
  L 16 w0.1: U17.70@111.23,71.9 v1(112.4,71.9)
CLK_A: R128.1 U39.1 | length 2.5
  L 16 w0.1: U39.1@32.7,53.62 32.7,54.611 33.05,54.961 33.05,55.895 R128.1@32.995,55.95